# Altium PCB 4in1_ESC_8layer.PcbDoc (part 2 of 2)
Units mm, origin at the board's own origin, x right, y up, seen from the top; angles counter-clockwise.
Board outline 33 x 33 mm, 8 copper layers (Top Layer, Layer 2, Layer 3, Layer 4, Layer 5, Layer 6, Layer 7, Bottom Layer), stack 1.028 mm thick; 185 components, 151 nets, 787 pads, 340 vias.
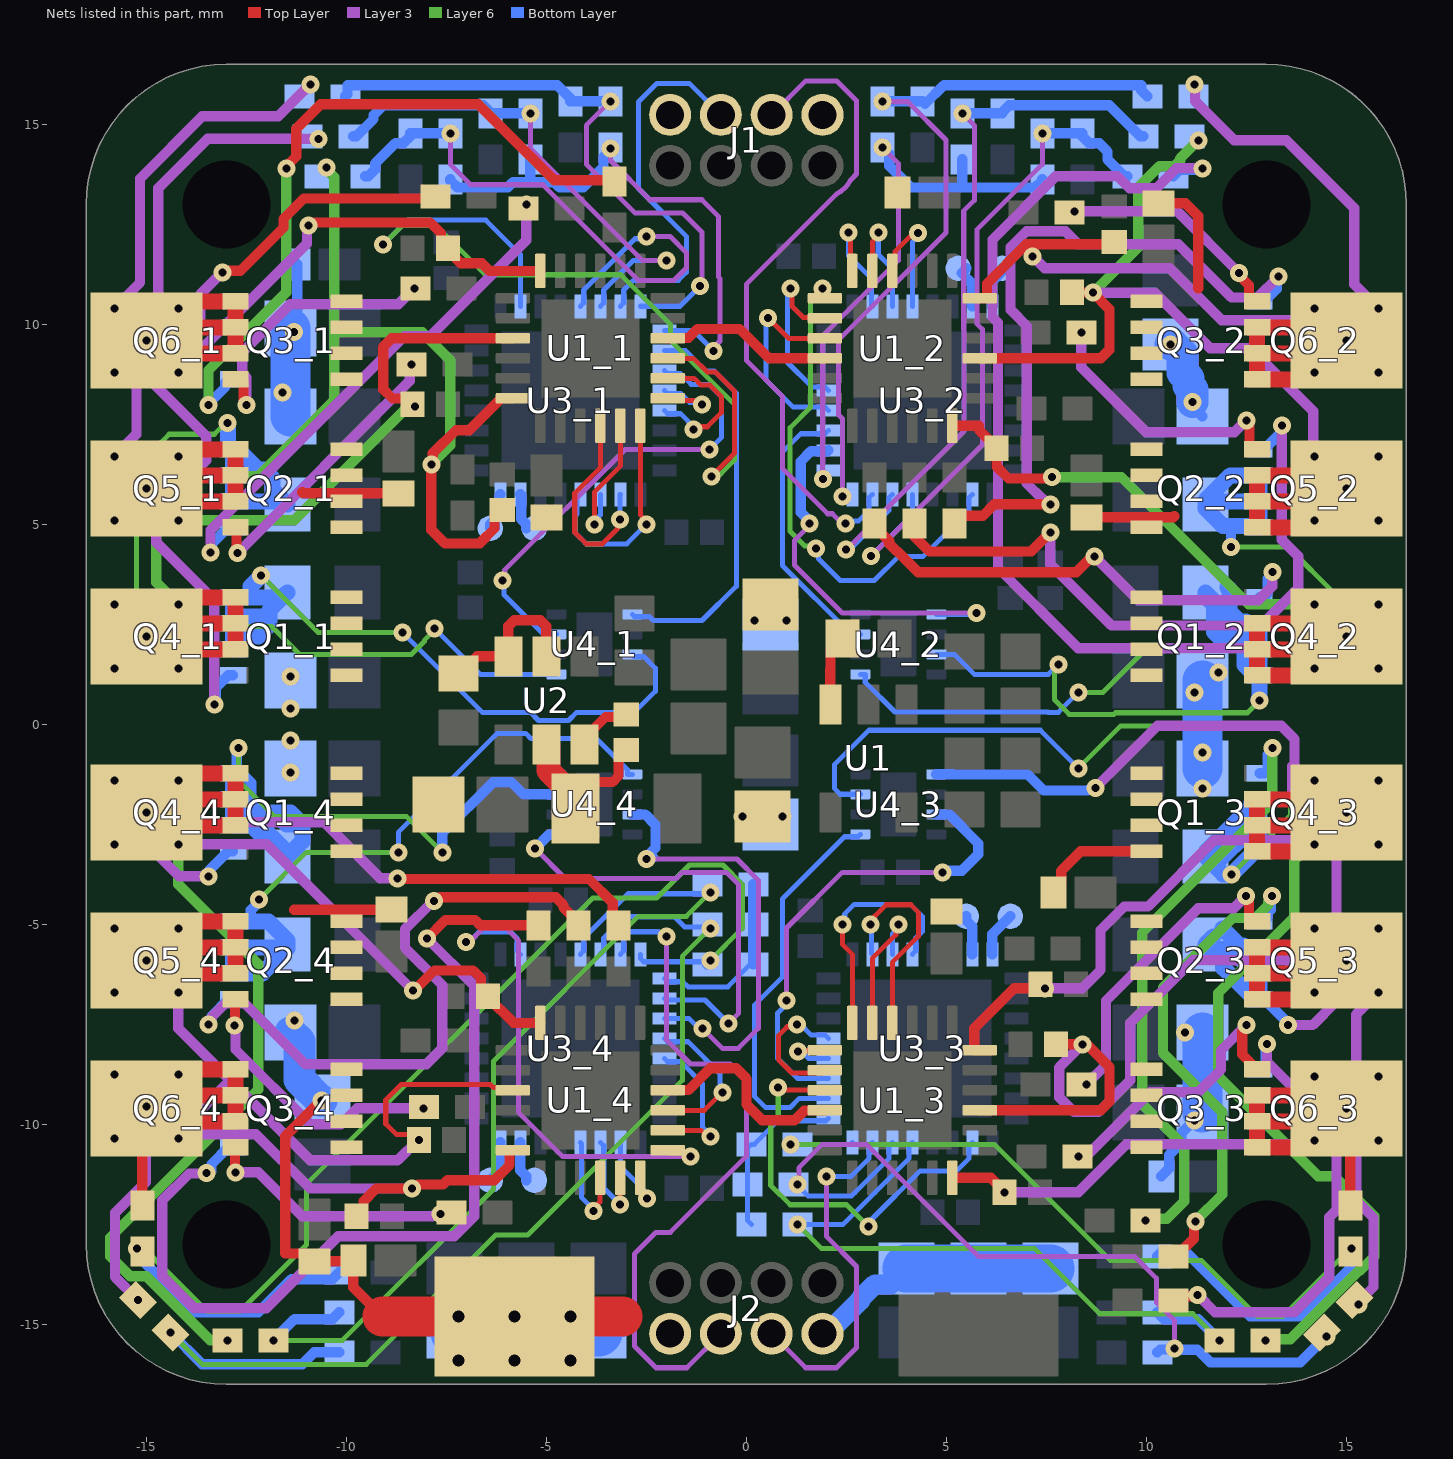
[diagram p8: the nets of this part, all layers, seen from the top]

## Via types
v1: diameter 0.45, hole 0.2, Top Layer to Bottom Layer, tented both sides, 328 vias
v2: diameter 0.6, hole 0.3, Top Layer to Bottom Layer, tented both sides, 12 vias

## Nets (pads, with @x,y where several pads share a name; then routed paths per layer and width w, separated by ;. In a path a pad name is that pad's centre, name@x,y a point inside that pad or via, vN(x,y) a via of type N, cw(c..) or ccw(c..) an arc to the next point about the centre after c; other vN are vias at no path point) (continued)
GU_L1: Q4_1.4 R13_1.2 | length 20.4
  Top Layer w0.254: v1(-13.1,11.3) -13.062,11.338 -12.644,11.338 -11.573,12.409 -11.573,12.631 -11.056,13.148 -7.827,13.148 R13_1.2@-7.775,13.2
  Layer 3 w0.254: v1(-13.3,0.5) -13.3,3.1 -14.752,4.552 -14.752,5.35 -13.5,6.602 -13.5,7.2 -14.752,8.452 -14.752,9.029 -13.648,10.133 -13.648,10.752 v1(-13.1,11.3)
  Bottom Layer w0.254: v1(-13.3,0.5) -13.262,0.538 -13.262,0.913 -12.95,1.225 Q4_1.4@-12.83,1.225
GU_L2: Q4_2.4 R17_2.2 | length 12.6
  Top Layer w0.254: R17_2.2@3.2,5.025 3.2,4.95 3.573,4.577 3.573,4.515 3.765,4.323 3.777,4.323 4.3,3.8 8.247,3.8 8.647,4.2 v1(8.7,4.2)
  Layer 3 w0.254: v1(8.7,4.2) 9.8,3.1 12.8,3.1 13.15,3.45 v1(13.15,3.807)
  Bottom Layer w0.254: Q4_2.4@12.83,3.175 12.95,3.175 13.033,3.258 13.033,3.637 13.15,3.754 v1(13.15,3.807) v1@13.2,3.757
GU_L3: Q4_3.4 R13_3.2 | length 15.2
  Layer 6 w0.254: v1(9.975,-12.4) 10.013,-12.362 10.513,-12.362 10.948,-11.927 10.948,-10.548 9.9,-9.5 9.9,-5.204 13.15,-1.954 v1(13.15,-0.593)
  Bottom Layer w0.254: Q4_3.4@12.83,-1.225 12.95,-1.225 13.033,-1.142 13.033,-0.763 13.15,-0.646 v1(13.15,-0.593) v1@13.193,-0.593
GU_L4: Q4_4.4 R17_4.2 | length 16
  Top Layer w0.254: v1(-8.725,-3.85) -8.706,-3.869 -3.931,-3.869 -3.34,-4.46 -3.34,-4.885 R17_4.2@-3.2,-5.025
  Layer 3 w0.254: v1@-13.4,-3.8 -14.181,-3.8 -14.752,-3.229 -14.752,-2.771 -14.429,-2.448 -10.552,-2.448 -9.15,-3.85 v1(-8.725,-3.85)
  Bottom Layer w0.254: v1(-13.45,-3.8) -13.413,-3.763 -13.413,-3.638 -12.95,-3.175 Q4_4.4@-12.83,-3.175
GV_H1: Q2_1.4 R14_1.2 | length 7.2
  Top Layer w0.254: Q2_1.4@-12.77,4.925 -12.746,4.901 -12.746,4.305 v1(-12.721,4.28)
  Layer 3 w0.254: v1(-12.721,4.28) -8.413,8.589 -8.413,8.963 v1(-8.375,9)
GV_H2: Q2_2.4 R14_2.2 | length 6.7
  Top Layer w0.254: v1(12.5,7.6) 12.5,7.547 12.581,7.466 12.581,6.958 12.664,6.875 Q2_2.4@12.77,6.875
  Layer 3 w0.254: v1(8.375,9.8) 8.375,8.925 10,7.3 12.2,7.3 v1(12.5,7.6)
GV_H3: Q2_3.4 R14_3.2 | length 7.7
  Top Layer w0.254: v1(12.498,-4.29) 12.498,-4.343 12.567,-4.412 12.567,-4.842 12.65,-4.925 Q2_3.4@12.77,-4.925
  Layer 3 w0.254: v1(8.5,-9) 8.992,-8.508 8.992,-6.908 11.3,-4.6 12.188,-4.6 v1(12.498,-4.29)
GV_H4: Q2_4.4 R14_4.2 | length 6.9
  Top Layer w0.254: v1@-12.825,-7.525 v1(-12.79,-7.525) -12.79,-7.51 -12.8,-7.5 -12.785,-7.485 -12.785,-6.89 Q2_4.4@-12.77,-6.875
  Layer 3 w0.254: v1@-12.772,-7.528 -12.772,-8.128 -10.9,-10 -10.129,-10 -9.729,-9.6 v1(-8.075,-9.6)
GV_L1: Q5_1.4 R15_1.2 | length 13.3
  Layer 3 w0.254: v1(-13.4,4.3) -13.393,4.307 -13.393,4.852 -8.545,9.7 -7.9,9.7 -5.5,12.1 v1(-5.5,13)
  Bottom Layer w0.254: v1(-13.4,4.3) -13.372,4.328 -13.372,4.503 -12.95,4.925 Q5_1.4@-12.83,4.925
GV_L2: Q5_2.4 R15_2.2 | length 17.2
  Top Layer w0.254: R15_2.2@4.2,5.025 4.2,4.7 4.577,4.323 7.123,4.323 v1(7.6,4.8)
  Layer 3 w0.254: v1(7.6,4.8) 7.6,4 9.127,2.473 12.873,2.473 13.8,3.4 13.8,4.2 13.387,4.613 v1(13.387,7.468)
  Bottom Layer w0.254: Q5_2.4@12.83,6.875 12.95,6.875 13.349,7.274 13.349,7.43 v1(13.387,7.468) v1@13.4,7.481
GV_L3: Q5_3.4 R15_3.2 | length 12.5
  Top Layer w0.254: R15_3.2@10.675,-13.3 10.848,-13.127 10.923,-13.127 11.19,-12.86 11.19,-12.465 v1(11.228,-12.428)
  Layer 6 w0.254: v1(11.228,-12.428) 11.9,-11.756 11.9,-9.7 10.415,-8.215 10.415,-6.585 12.158,-4.842 12.727,-4.842 13.05,-4.519 13.05,-4.444 13.148,-4.346 v1(13.148,-4.293)
  Bottom Layer w0.254: Q5_3.4@12.83,-4.925 12.95,-4.925 13.033,-4.842 13.033,-4.722 13.11,-4.645 13.11,-4.33 v1(13.148,-4.293) v1@13.193,-4.293
GV_L4: Q5_4.4 R15_4.2 | length 16.3
  Top Layer w0.254: v1(-7.809,-4.421) -7.756,-4.421 -7.658,-4.323 -4.765,-4.323 -4.573,-4.515 -4.573,-4.577 -4.2,-4.95 R15_4.2@-4.2,-5.025
  Layer 3 w0.254: v1@-13.4,-7.5 -13.372,-7.472 -13.372,-7.327 -13.018,-6.973 -12.546,-6.973 -11.019,-8.5 -8,-8.5 -7.6,-8.1 -7.6,-6.519 -8.537,-5.583 -8.537,-5.126 -7.832,-4.421 v1(-7.809,-4.421)
  Bottom Layer w0.254: v1(-13.45,-7.5) -13.4,-7.5 -13.372,-7.472 -13.372,-7.297 -12.95,-6.875 Q5_4.4@-12.83,-6.875
GW_H1: Q3_1.4 R16_1.2 | length 7
  Top Layer w0.254: Q3_1.4@-12.65,8.625 -12.567,8.542 -12.567,8.114 -12.491,8.038 v1(-12.491,7.985)
  Layer 3 w0.254: v1(-12.491,7.985) -12.491,8.668 -12.6,8.777 -12.6,9.3 -11.4,10.5 -8.7,10.5 v1(-8.3,10.9)
GW_H2: Q3_2.4 R3_2.2 | length 5.9
  Top Layer w0.254: R3_2.2@8.075,12.8 8.1,12.825 v1(8.211,12.825) ; v1(12.319,11.281) 12.319,11.228 12.567,10.98 12.567,10.658 12.65,10.575 Q3_2.4@12.77,10.575
  Layer 3 w0.254: v1(8.211,12.825) 10.775,12.825 v1(12.319,11.281)
GW_H3: Q3_3.4 R16_3.2 | length 7.2
  Top Layer w0.254: v1(12.502,-7.52) 12.502,-7.573 12.4,-7.675 12.4,-8.255 12.65,-8.505 12.65,-8.625 Q3_3.4@12.77,-8.625
  Layer 3 w0.254: v1(8.3,-10.8) 8.337,-10.762 8.538,-10.762 10.1,-9.2 11.3,-9.2 11.867,-8.633 11.867,-8.155 v1(12.502,-7.52)
GW_H4: Q3_4.4 R3_4.2 | length 6.6
  Top Layer w0.254: v1@-12.8,-11.2 -12.79,-11.19 v1@-12.785,-11.185 ; Q3_4.4@-12.77,-10.575 -12.785,-10.59 v1@-12.785,-11.185 ; v1@-12.76,-11.2 v1(-12.77,-11.21) -12.77,-11.2 v1@-12.785,-11.185 ; v1(-7.639,-12.248) -7.423,-12.248 R3_4.2@-7.375,-12.2
  Layer 3 w0.254: v1@-12.8,-11.2 -12.2,-11.2 -11.1,-12.3 -7.853,-12.3 -7.839,-12.286 -7.676,-12.286 v1(-7.639,-12.248)
GW_L1: Q6_1.4 R17_1.2 | length 17.8
  Top Layer w0.254: v1(-11.5,13.9) -11.5,13.947 -11.253,14.194 -11.253,14.888 -10.641,15.5 -6.7,15.5 -4.802,13.602 -3.327,13.602 R17_1.2@-3.3,13.575
  Layer 6 w0.254: v1(-13.446,7.983) -13.446,8.854 -11.5,10.8 v1(-11.5,13.9)
  Bottom Layer w0.254: v1(-13.446,7.983) -13.446,8.009 -13.033,8.422 -13.033,8.542 -12.95,8.625 Q6_1.4@-12.83,8.625
GW_L2: Q6_2.4 R13_2.2 | length 18.1
  Top Layer w0.254: R13_2.2@5.2,5.025 5.2,5.042 5.373,5.215 5.915,5.215 6.2,5.5 v1(7.6,5.5)
  Layer 3 w0.254: v1(7.6,5.5) 7.547,5.5 7.422,5.625 7.409,5.625 7.013,6.021 7.013,9.957 6.608,10.362 6.608,11.929 7.006,12.327 7.973,12.327 8.3,12 10.8,12 12.127,10.673 12.79,10.673 13.3,11.183 v1(13.3,11.2)
  Bottom Layer w0.254: Q6_2.4@12.83,10.575 12.95,10.575 13.262,10.887 13.262,11.162 v1(13.3,11.2)
GW_L3: Q6_3.4 R17_3.2 | length 11.8
  Top Layer w0.254: R17_3.2@10.675,-14.4 10.775,-14.3 11.245,-14.3 v1(11.282,-14.263)
  Layer 3 w0.254: v1(11.282,-14.263) 11.719,-14.7 13.7,-14.7 14.575,-13.825 14.575,-12.325 14.752,-12.148 14.752,-10.171 13.022,-8.441 v1(13.022,-7.987)
  Bottom Layer w0.254: Q6_3.4@12.95,-8.625 12.984,-8.591 12.984,-8.024 v1(13.022,-7.987)
GW_L4: Q6_4.4 R13_4.2 | length 24
  Top Layer w0.254: v1(-7.985,-5.354) -7.524,-4.893 -6.779,-4.893 -6.647,-5.025 R13_4.2@-5.2,-5.025
  Layer 3 w0.254: v1@-13.4,-11.2 -13.428,-11.228 -13.928,-11.228 -14.6,-11.9 -14.6,-13.8 -13.8,-14.6 -12,-14.6 -10.2,-12.8 -7.3,-12.8 -6.8,-12.3 -6.8,-6.539 v1(-7.985,-5.354)
  Bottom Layer w0.254: v1@-13.512,-11.212 v1(-13.497,-11.212) -13.485,-11.2 -13.4,-11.2 -13.372,-11.172 -13.372,-10.997 -12.95,-10.575 Q6_4.4@-12.83,-10.575
ISNS_U1: U3_1.10 U4_1.1 | length 10.1
  Bottom Layer w0.127: U4_1.1@-2.85,2.75 -2.788,2.689 -2.417,2.689 -2.324,2.596 -1.105,2.596 -0.25,3.451 -0.25,8.282 -0.795,8.827 -1.001,8.827 -1.524,9.35 U3_1.10@-2.05,9.35
ISNS_U2: U3_2.10 U4_2.1 | length 9.7
  Layer 3 w0.127: v1(1.585,5.025) 1.585,4.973 1.2,4.589 1.2,3.982 2.401,2.781 v1(5.75,2.781)
  Bottom Layer w0.127: U4_2.1@4.75,2.75 4.752,2.752 5.721,2.752 v1(5.75,2.781)
  Bottom Layer w0.254: v1(1.585,5.025) 1.585,5.078 1.359,5.303 1.359,6.572 1.615,6.827 2.027,6.827 U3_2.10@2.05,6.85
ISNS_U3: U3_3.10 U4_3.1 | length 9.9
  Bottom Layer w0.127: U3_3.10@2.05,-9.35 1.325,-9.35 1.091,-9.584 0.484,-9.584 0.2,-9.3 0.2,-7.023 0.9,-6.323 0.9,-4.367 2.456,-2.812 2.788,-2.812 U4_3.1@2.85,-2.75
ISNS_U4: U3_4.10 U4_4.1 | length 11.7
  Layer 3 w0.127: v1(-5.279,-3.106) -4.531,-3.854 -1.754,-3.854 -1.6,-3.7 -0.5,-3.7 -0.2,-4 -0.2,-7.233 v1(-0.446,-7.479)
  Bottom Layer w0.127: U3_4.10@-2.05,-6.85 -2.01,-6.89 -1.034,-6.89 v1(-0.446,-7.479)
  Bottom Layer w0.254: v1@-5.294,-3.106 v1(-5.279,-3.106) -4.926,-2.752 -4.752,-2.752 U4_4.1@-4.75,-2.75
ISNS_V1: U3_1.11 U4_1.7 | length 11.9
  Layer 3 w0.127: v1(-6.1,3.6) -6.038,3.662 -6.038,3.862 -3.034,6.866 v1(-0.922,6.866)
  Bottom Layer w0.127: v1(-6.1,3.6) -6.062,3.562 -6.062,3.243 -5.071,2.252 -4.752,2.252 U4_1.7@-4.75,2.25 ; U3_1.11@-2.05,8.85 -1.964,8.763 -1.641,8.763 -1.377,8.5 -0.931,8.5 -0.623,8.192 -0.623,7.165 v1(-0.922,6.866)
ISNS_V2: U3_2.11 U4_2.7 | length 6.9
  Bottom Layer w0.127: U3_2.11@2.05,7.35 1.963,7.264 1.363,7.264 0.9,6.8 0.9,3.971 2.559,2.312 2.788,2.312 U4_2.7@2.85,2.25
ISNS_V3: U3_3.11 U4_3.7 | length 12
  Layer 3 w0.127: v1(1.007,-6.906) 1.007,-5.093 2.4,-3.7 v1(4.9,-3.7)
  Bottom Layer w0.127: v1@1.013,-6.9 v1(1.007,-6.906) 1.007,-6.993 0.784,-7.216 0.784,-8.356 1.278,-8.85 U3_3.11@2.05,-8.85
  Bottom Layer w0.254: U4_3.7@4.75,-2.25 4.752,-2.252 5.071,-2.252 5.8,-2.981 5.8,-3.247 5.384,-3.662 4.938,-3.662 v1(4.9,-3.7)
ISNS_V4: U3_4.11 U4_4.7 | length 11.4
  Layer 3 w0.127: v1(-2.493,-3.365) -0.235,-3.365 0.3,-3.9 0.3,-7.6 -0.2,-8.1 -0.6,-8.1 v1(-1.1,-7.6)
  Bottom Layer w0.127: U3_4.11@-2.05,-7.35 -1.437,-7.35 -1.187,-7.6 v1(-1.1,-7.6)
  Bottom Layer w0.254: U4_4.7@-2.85,-2.25 -2.848,-2.252 -2.529,-2.252 -2.273,-2.508 -2.273,-3.092 -2.493,-3.312 v1(-2.493,-3.365) -2.455,-3.328 v1@-2.328,-3.328
NetC10_1: C10.1 L1.1 U2.5 | length 3.9
  Top Layer w0.254: L1.1@-4.275,-2.1 -4.275,-1.915 -3.802,-1.442 -3.342,-1.442 -3.193,-1.293 -3.193,-0.913 -3.02,-0.74 C10.1@-3,-0.74
  Top Layer w0.6: U2.5@-5,-0.5 -4.95,-0.55 -4.95,-1.157 -4.582,-1.525 -4.575,-1.525 -4.275,-1.825 L1.1@-4.275,-1.915
NetC10_2: C10.2 U2.6 | length 1.4
  Top Layer w0.254: U2.6@-4.05,-0.5 -4.05,-0.35 -3.518,0.182 -3.058,0.182 C10.2@-3,0.24
NetR2_1: R2.1 U1.3 | length 1.8
  Top Layer w0.254: U1.3@2.1,0.5 2.1,1.381 2.102,1.383 2.102,1.852 R2.1@2.4,2.15
OUT_U1: C3_1.2 pad.1@-15,2.2 Q1_1.1 Q1_1.2 Q1_1.3 Q4_1.5 Q4_1.6 Q4_1.7 Q4_1.8 R5_1.2 U1_1.18 | length 35.2
  Top Layer w0.254: C3_1.2@-6.1,5.36 -6.12,5.36 -6.293,5.187 -6.293,4.895 -6.665,4.523 -7.535,4.523 -7.875,4.863 v1(-7.875,6.5) -7.837,6.538 -7.837,6.775 -7.259,7.353 -6.927,7.353 -6.13,8.15 U1_1.18@-5.835,8.15
  Top Layer w0.4: pad.1@-14.675,2.525 v1(-14.2,3) -14.025,3.175 Q1_1.1@-12.77,3.175 Q1_1.2@-12.77,2.525 ; pad.1@-14.675,2.525 v1(-15,2.2) -14.675,1.875 Q1_1.3@-12.77,1.875 Q1_1.2@-12.77,2.525 ; pad.1@-14.675,2.525 Q1_1.2@-12.77,2.525
  Layer 6 w0.254: v1(-14.2,3) -14.752,3.552 -14.752,5.329 -14.6,5.481 -14.6,5.5 -13.9,6.2 -12.2,6.2 -10.3,8.1 -10.3,9.8 ; v1(-10.5,13.925) -10.5,13.878 -10.3,13.678 -10.3,9.8 ; v1(-7.875,6.5) -7.4,6.975 -7.4,9.1 -8.1,9.8 -10.3,9.8
  other v1: -15.8,1.4 -14.2,1.4 -15.8,3
OUT_U2: C1_2.2 pad.1@15,2.2 Q1_2.1 Q1_2.2 Q1_2.3 Q4_2.5 Q4_2.6 Q4_2.7 Q4_2.8 R5_2.2 U1_2.12 | length 43.7
  Top Layer w0.254: U1_2.12@5.15,7.465 5.815,7.465 5.815,7.365 6.26,6.92 C1_2.2@6.26,6.9 6.252,6.892 6.252,6.448 6.553,6.147 7.593,6.147 v1@7.631,6.184
  Top Layer w0.4: Q1_2.2@12.77,1.875 pad.1@14.675,1.875 ; Q1_2.2@12.77,1.875 Q1_2.3@12.77,2.525 14.025,2.525 pad.1@14.675,1.875 ; Q1_2.2@12.77,1.875 Q1_2.1@12.77,1.225 14.675,1.225 15,1.55 pad.1@14.675,1.875
  Layer 3 w0.254: v1(11.4,13.9) 10.754,13.9 10.254,13.4 9.58,13.4 9.28,13.7 7.737,13.7 6.154,12.117 6.154,10.174 6.291,10.038 6.291,3.91 8.3,1.9 13.8,1.9 v1@14.2,1.5
  Layer 6 w0.254: v1(7.638,6.177) 9.378,6.177 12.555,3 v1(14.2,3)
  Bottom Layer w0.254: R5_2.2@10.675,13.7 10.837,13.862 11.362,13.862 v1(11.4,13.9)
  other v1: 14.2,1.4 15.8,1.4 15,2.2 15.8,3
OUT_U3: C3_3.2 pad.1@15,-2.2 Q1_3.1 Q1_3.2 Q1_3.3 Q4_3.5 Q4_3.6 Q4_3.7 Q4_3.8 R5_3.2 U1_3.18 | length 37.1
  Top Layer w0.254: U1_3.18@6.13,-8.15 5.708,-8.15 5.7,-8.142 5.7,-7.6 6.7,-6.6 C3_3.2@7.36,-6.6 ; C3_3.2@7.36,-6.5 7.363,-6.5 v1(7.463,-6.6)
  Top Layer w0.4: Q1_3.2@12.77,-2.525 pad.1@14.675,-2.525 ; Q1_3.2@12.77,-2.525 Q1_3.3@12.77,-1.875 14.025,-1.875 pad.1@14.675,-2.525 ; Q1_3.2@12.77,-2.525 Q1_3.1@12.77,-3.175 14.675,-3.175 15,-2.85 pad.1@14.675,-2.525
  Layer 3 w0.254: v1(7.463,-6.6) 8.4,-6.6 8.853,-6.147 8.853,-5.147 9.446,-4.554 10.046,-4.554 11.7,-2.9 v1@14.2,-2.9
  Layer 6 w0.254: v1(12.975,-15.4) 13.003,-15.372 13.6,-15.372 15.32,-13.652 15.356,-13.652 15.7,-13.308 15.7,-12.3 14.7,-11.3 14.3,-11.3 11.8,-8.8 11.8,-6.719 13.7,-4.819 13.7,-3.4 v1@14.2,-2.9
  other v1: 14.2,-3 15.8,-3 15,-2.2 14.2,-1.4 15.8,-1.4
OUT_U4: C1_4.2 pad.1@-15,-2.2 Q1_4.1 Q1_4.2 Q1_4.3 Q4_4.5 Q4_4.6 Q4_4.7 Q4_4.8 R5_4.2 U1_4.12 | length 36.1
  Top Layer w0.254: v1(-8.334,-6.653) -8.298,-6.653 -7.797,-6.153 -6.829,-6.153 -6.633,-6.349 -6.633,-6.627 C1_4.2@-6.46,-6.8 -6.46,-6.82 -5.815,-7.465 U1_4.12@-5.15,-7.465
  Top Layer w0.4: pad.1@-14.675,-1.875 v1(-14.2,-1.4) -14.025,-1.225 Q1_4.1@-12.77,-1.225 Q1_4.2@-12.77,-1.875 ; pad.1@-14.675,-1.875 v1(-15,-2.2) -14.675,-2.525 Q1_4.3@-12.77,-2.525 Q1_4.2@-12.77,-1.875 ; pad.1@-14.675,-1.875 Q1_4.2@-12.77,-1.875
  Layer 3 w0.254: v1(-14.2,-3) -11.987,-3 v1(-8.334,-6.653)
  Layer 6 w0.254: v1(-14.2,-3) -14.2,-4 -12.2,-6 -12.2,-9.131 -15.9,-12.831 -15.9,-13.3 -15.4,-13.8 -15,-13.8 -13.4,-15.4 v1(-12.975,-15.4)
  other v1: -15.8,-3 -15.8,-1.4
OUT_V1: C2_1.2 pad.3@-15,5.9 Q2_1.1 Q2_1.2 Q2_1.3 Q5_1.5 Q5_1.6 Q5_1.7 Q5_1.8 R7_1.2 U1_1.15 | length 32.6
  Top Layer w0.254: v1(-8.28,7.94) -8.485,8.145 -8.845,8.145 -9.077,8.377 -9.077,9.435 -8.862,9.65 U1_1.15@-5.835,9.65
  Top Layer w0.4: pad.3@-14.675,6.225 v1(-14.2,6.7) -14.025,6.875 Q2_1.1@-12.77,6.875 Q2_1.2@-12.77,6.225 ; pad.3@-14.675,6.225 Q2_1.2@-12.77,6.225 ; pad.3@-14.675,6.225 v1(-15,5.9) -14.675,5.575 Q2_1.3@-12.77,5.575 Q2_1.2@-12.77,6.225
  Layer 3 w0.254: v1(-15.8,6.7) -15.248,7.252 -15.248,9.029 -15.527,9.308 -15.527,9.346 -15.552,9.371 -15.552,9.848 -14.7,10.7 -14.7,13.4 -13.462,14.638 v1(-10.701,14.638)
  Layer 6 w0.254: v1(-14.2,5.1) -11.3,5.1 -8.497,7.903 -8.318,7.903 v1(-8.28,7.94)
  other v1: -15.8,5.1
OUT_V2: C2_2.2 pad.2@15,5.9 Q2_2.1 Q2_2.2 Q2_2.3 Q5_2.5 Q5_2.6 Q5_2.7 Q5_2.8 R7_2.2 U1_2.15 | length 26.7
  Top Layer w0.254: U1_2.15@5.835,9.15 8.862,9.15 9.077,9.365 9.077,10.378 v1(8.665,10.79) 8.66,10.795 8.145,10.795 C2_2.2@8.14,10.8
  Top Layer w0.4: Q2_2.2@12.77,5.575 pad.2@14.675,5.575 ; Q2_2.2@12.77,5.575 Q2_2.3@12.77,6.225 14.025,6.225 pad.2@14.675,5.575 ; Q2_2.2@12.77,5.575 Q2_2.1@12.77,4.925 14.675,4.925 15,5.25 pad.2@14.675,5.575
  Layer 3 w0.254: v1(8.665,10.79) 10.21,10.79 11.6,9.4 12.6,9.4 14.172,7.828 14.172,6.728 v1(14.2,6.7)
  Layer 6 w0.254: v1(8.665,10.79) 9.8,11.925 9.8,13.425 10.327,13.952 10.699,13.952 10.848,14.101 10.848,14.148 v1(11.3,14.6)
  other v1: 14.2,5.1 15.8,5.1 15,5.9 15.8,6.7
OUT_V3: C2_3.2 pad.2@15,-5.9 Q2_3.1 Q2_3.2 Q2_3.3 Q5_3.5 Q5_3.6 Q5_3.7 Q5_3.8 R7_3.2 U1_3.15 | length 33.3
  Top Layer w0.254: U1_3.15@5.835,-9.65 8.862,-9.65 9.077,-9.435 9.077,-8.565 8.795,-8.282 v1@8.512,-8 ; C2_3.2@7.74,-8 v1(8.4,-8)
  Top Layer w0.4: Q2_3.2@12.77,-6.225 pad.2@14.675,-6.225 ; Q2_3.2@12.77,-6.225 Q2_3.1@12.77,-6.875 14.675,-6.875 15,-6.55 pad.2@14.675,-6.225 ; Q2_3.2@12.77,-6.225 Q2_3.3@12.77,-5.575 14.025,-5.575 pad.2@14.675,-6.225
  Layer 3 w0.254: v1(8.4,-8) 7.823,-8.577 7.823,-9.323 8.195,-9.695 8.805,-9.695 9.6,-8.9 9.6,-7.466 11.166,-5.9 13.5,-5.9 v1@14.2,-6.6 ; v1(15.3,-14.5) 15.3,-14.447 15.679,-14.068 15.679,-12.335 15.248,-11.904 15.248,-10.171 15.552,-9.867 15.552,-9.333 15.248,-9.029 15.248,-7.252 v1(15.8,-6.7)
  other v1: 14.2,-6.7 15,-5.9 14.2,-5.1 15.8,-5.1
OUT_V4: C2_4.2 pad.2@-15,-5.9 Q2_4.1 Q2_4.2 Q2_4.3 Q5_4.5 Q5_4.6 Q5_4.7 Q5_4.8 R7_4.2 U1_4.15 | length 29.1
  Top Layer w0.127: v1(-8.188,-10.391) -8.321,-10.258 -8.742,-10.258 -9.013,-9.987 -9.013,-9.391 -8.625,-9.002 -6.4,-9.002 -6.324,-9.079 -5.906,-9.079 U1_4.15@-5.835,-9.15
  Top Layer w0.4: pad.2@-14.675,-5.575 v1(-14.2,-5.1) -14.025,-4.925 Q2_4.1@-12.77,-4.925 Q2_4.2@-12.77,-5.575 ; pad.2@-14.675,-5.575 v1(-15,-5.9) -14.675,-6.225 Q2_4.3@-12.77,-6.225 Q2_4.2@-12.77,-5.575 ; pad.2@-14.675,-5.575 Q2_4.2@-12.77,-5.575
  Layer 3 w0.254: v1(-15.207,-14.393) -15.779,-13.821 -15.779,-12.21 -15.005,-11.435 -15.005,-10.374 -14.231,-9.6 -13.6,-9.6 -12.9,-8.9 ; v1@-14.2,-6.6 -14.2,-7.6 -12.9,-8.9 ; v1(-8.188,-10.391) -8.207,-10.391 -8.716,-10.9 -10.9,-10.9 -12.9,-8.9
  other v1: -15.8,-6.7 -14.2,-6.7 -15.8,-5.1
OUT_W1: C1_1.2 pad.3@-15,9.6 Q3_1.1 Q3_1.2 Q3_1.3 Q6_1.5 Q6_1.6 Q6_1.7 Q6_1.8 R9_1.2 U1_1.12 | length 28.5
  Top Layer w0.254: v1(-10.948,12.475) -10.895,12.475 -10.823,12.547 -7.905,12.547 -7.633,12.275 -7.633,12.073 C1_1.2@-7.439,11.879 ; C1_1.2@-7.46,11.9 -7.287,11.727 -7.287,11.676 -7.138,11.527 -6.615,11.527 -6.423,11.335 U1_1.12@-5.15,11.335
  Top Layer w0.4: pad.3@-14.675,9.925 v1(-14.2,10.4) -14.025,10.575 Q3_1.1@-12.77,10.575 Q3_1.2@-12.77,9.925 ; pad.3@-14.675,9.925 v1(-15,9.6) -14.675,9.275 Q3_1.3@-12.77,9.275 Q3_1.2@-12.77,9.925 ; pad.3@-14.675,9.925 Q3_1.2@-12.77,9.925
  Layer 3 w0.254: v1(-15.8,10.4) -15.154,11.046 -15.154,13.646 -13.6,15.2 -11.7,15.2 v1(-10.9,16) ; v1(-14.2,8.8) -10.986,12.015 -10.986,12.437 v1(-10.948,12.475)
  other v1: -15.8,8.8
OUT_W2: C3_2.2 pad.3@15,9.6 Q3_2.1 Q3_2.2 Q3_2.3 Q6_2.5 Q6_2.6 Q6_2.7 Q6_2.8 R9_2.2 U1_2.18 | length 28.8
  Top Layer w0.254: U1_2.18@5.835,10.65 6.009,10.65 6.017,10.658 6.017,11.017 7,12 ; v1(7.16,11.7) 7.16,11.753 7,11.913 7,12 ; C3_2.2@9.2,12.06 9.14,12 7,12
  Top Layer w0.4: Q3_2.2@12.77,9.275 pad.3@14.675,9.275 ; Q3_2.2@12.77,9.275 Q3_2.1@12.77,8.625 14.675,8.625 15,8.95 pad.3@14.675,9.275 ; Q3_2.2@12.77,9.275 Q3_2.3@12.77,9.925 14.025,9.925 pad.3@14.675,9.275
  Layer 3 w0.254: v1(7.16,11.7) 7.46,11.4 10.587,11.4 11.887,10.1 13.9,10.1 v1(14.2,10.4) ; v1(11.2,16) 11.225,15.975 11.225,15.575 12.2,14.6 13.5,14.6 15.2,12.9 15.2,11 v1(15.8,10.4)
  other v1: 14.2,8.8 15.8,8.8 15,9.6
OUT_W3: C1_3.2 pad.3@15,-9.6 Q3_3.1 Q3_3.2 Q3_3.3 Q6_3.5 Q6_3.6 Q6_3.7 Q6_3.8 R9_3.2 U1_3.12 | length 20.6
  Top Layer w0.254: U1_3.12@5.15,-11.335 6.115,-11.335 6.46,-11.68 v1(6.46,-11.7) ; v1(15,-9.6) 15.1,-9.7 15.1,-10.25 R9_3.2@15.1,-12.025
  Top Layer w0.4: Q3_3.2@12.77,-9.925 pad.3@14.675,-9.925 ; Q3_3.2@12.77,-9.925 Q3_3.3@12.77,-9.275 14.025,-9.275 pad.3@14.675,-9.925 ; Q3_3.2@12.77,-9.925 Q3_3.1@12.77,-10.575 14.2,-10.575 14.675,-10.575 15,-10.25 pad.3@14.675,-9.925
  Layer 3 w0.254: v1(6.46,-11.7) 8.3,-11.7 9.5,-10.5 13.978,-10.5 14.178,-10.3 v1@14.2,-10.3
  Bottom Layer w0.254: v1(15,-9.6) 15,-9.639 v1@15.1,-9.74
  other v1: 14.2,-10.4 15.8,-10.4 14.2,-8.8 15.8,-8.8
OUT_W4: C3_4.2 pad.3@-15,-9.6 Q3_4.1 Q3_4.2 Q3_4.3 Q6_4.5 Q6_4.6 Q6_4.7 Q6_4.8 R9_4.2 U1_4.18 | length 22.3
  Top Layer w0.254: pad.3@-15.8,-10.25 pad.3@-15.6,-10.45 ; R9_4.2@-15.1,-12.025 -15.1,-9.65 v1(-15,-9.55) ; C3_4.2@-9.74,-12.3 -9.567,-12.127 -9.567,-11.925 -9.249,-11.606 -8.448,-11.606 v1@-8.425,-11.63 ; v1(-8.357,-11.606) -8.304,-11.606 -8.206,-11.508 -7.581,-11.508 -7.472,-11.4 -6.3,-11.4 -5.917,-11.017 -5.917,-10.658 -5.909,-10.65 U1_4.18@-5.835,-10.65
  Top Layer w0.4: pad.3@-14.675,-9.275 -14.175,-8.775 -14.025,-8.625 Q3_4.1@-12.77,-8.625 Q3_4.2@-12.77,-9.275 ; pad.3@-14.675,-9.275 -14.975,-9.575 pad.3@-15,-9.6 -14.675,-9.925 Q3_4.3@-12.77,-9.925 Q3_4.2@-12.77,-9.275 ; pad.3@-14.675,-9.275 Q3_4.2@-12.77,-9.275
  Layer 3 w0.254: v1@-14.2,-10.25 -12.261,-10.25 -10.905,-11.606 v1(-8.357,-11.606)
  other v1: -15.8,-10.35 -14.2,-10.35 -15.8,-8.75 -14.2,-8.75
PWM_1N1: U1_1.1 U3_1.12 | length 2
  Top Layer w0.127: U1_1.1@-1.965,8.15 -1.909,8.094 -1.303,8.094 -1.199,7.99 v1(-1.112,7.99)
  Bottom Layer w0.127: U3_1.12@-2.05,8.35 -1.964,8.263 -1.635,8.263 -1.415,8.044 -1.165,8.044 v1(-1.112,7.99)
PWM_1N2: U1_2.3 U3_2.12 | length 5.1
  Top Layer w0.127: v1(0.544,10.163) 1.057,9.65 U1_2.3@1.965,9.65
  Bottom Layer w0.127: v1(0.544,10.163) 0.488,10.107 0.488,8.612 1.164,7.936 1.963,7.936 U3_2.12@2.05,7.85
PWM_1N3: U1_3.1 U3_3.12 | length 1.5
  Top Layer w0.127: v1(1.293,-8.174) 1.306,-8.162 1.953,-8.162 U1_3.1@1.965,-8.15
  Bottom Layer w0.127: v1(1.293,-8.174) 1.381,-8.174 1.556,-8.35 U3_3.12@2.05,-8.35
PWM_1N4: U1_4.3 U3_4.12 | length 3.8
  Top Layer w0.127: U1_4.3@-1.965,-9.65 -1.05,-9.65 v1(-0.6,-9.2)
  Bottom Layer w0.127: U3_4.12@-2.05,-7.85 -1.963,-7.936 -1.454,-7.936 -0.662,-8.729 -0.662,-9.138 v1(-0.6,-9.2)
PWM_1P1: U1_1.22 U3_1.18 | length 5.2
  Top Layer w0.127: U1_1.22@-3.65,7.465 -3.65,6.416 -4.289,5.778 -4.289,4.798 -4.002,4.511 -3.598,4.511 -3.223,4.886 -3.223,5.057 v1(-3.161,5.119)
  Bottom Layer w0.127: v1(-3.161,5.119) -3.155,5.124 -3.155,5.745 U3_1.18@-3.15,5.75
PWM_1P2: U1_2.24 U3_2.18 | length 3.1
  Top Layer w0.127: v1(2.56,12.3) 2.605,12.255 2.605,11.38 U1_2.24@2.65,11.335
  Bottom Layer w0.127: v1(2.56,12.3) 2.56,11.714 3.134,11.139 3.134,10.466 U3_2.18@3.15,10.45
PWM_1P3: U1_3.22 U3_3.18 | length 5.3
  Top Layer w0.127: v1(3.1,-5) 3.1,-4.913 3.211,-4.801 3.211,-4.798 3.498,-4.511 4.112,-4.511 4.3,-4.7 4.3,-5.3 3.65,-5.95 U1_3.22@3.65,-7.465
  Bottom Layer w0.127: v1(3.1,-5) 3.125,-5.025 3.125,-5.725 U3_3.18@3.15,-5.75